# Altium PCB pay-ssm-v4-5.PcbDoc (part 3 of 4)
Units mm, origin at the board's own origin, x right, y up, seen from the top; angles counter-clockwise.
Board outline 127 x 55 mm, 6 copper layers (Top Layer, GND1, VCC, 3V3, GND2, Bottom Layer), stack 0.816 mm thick; 302 components, 219 nets, 1045 pads, 709 vias.
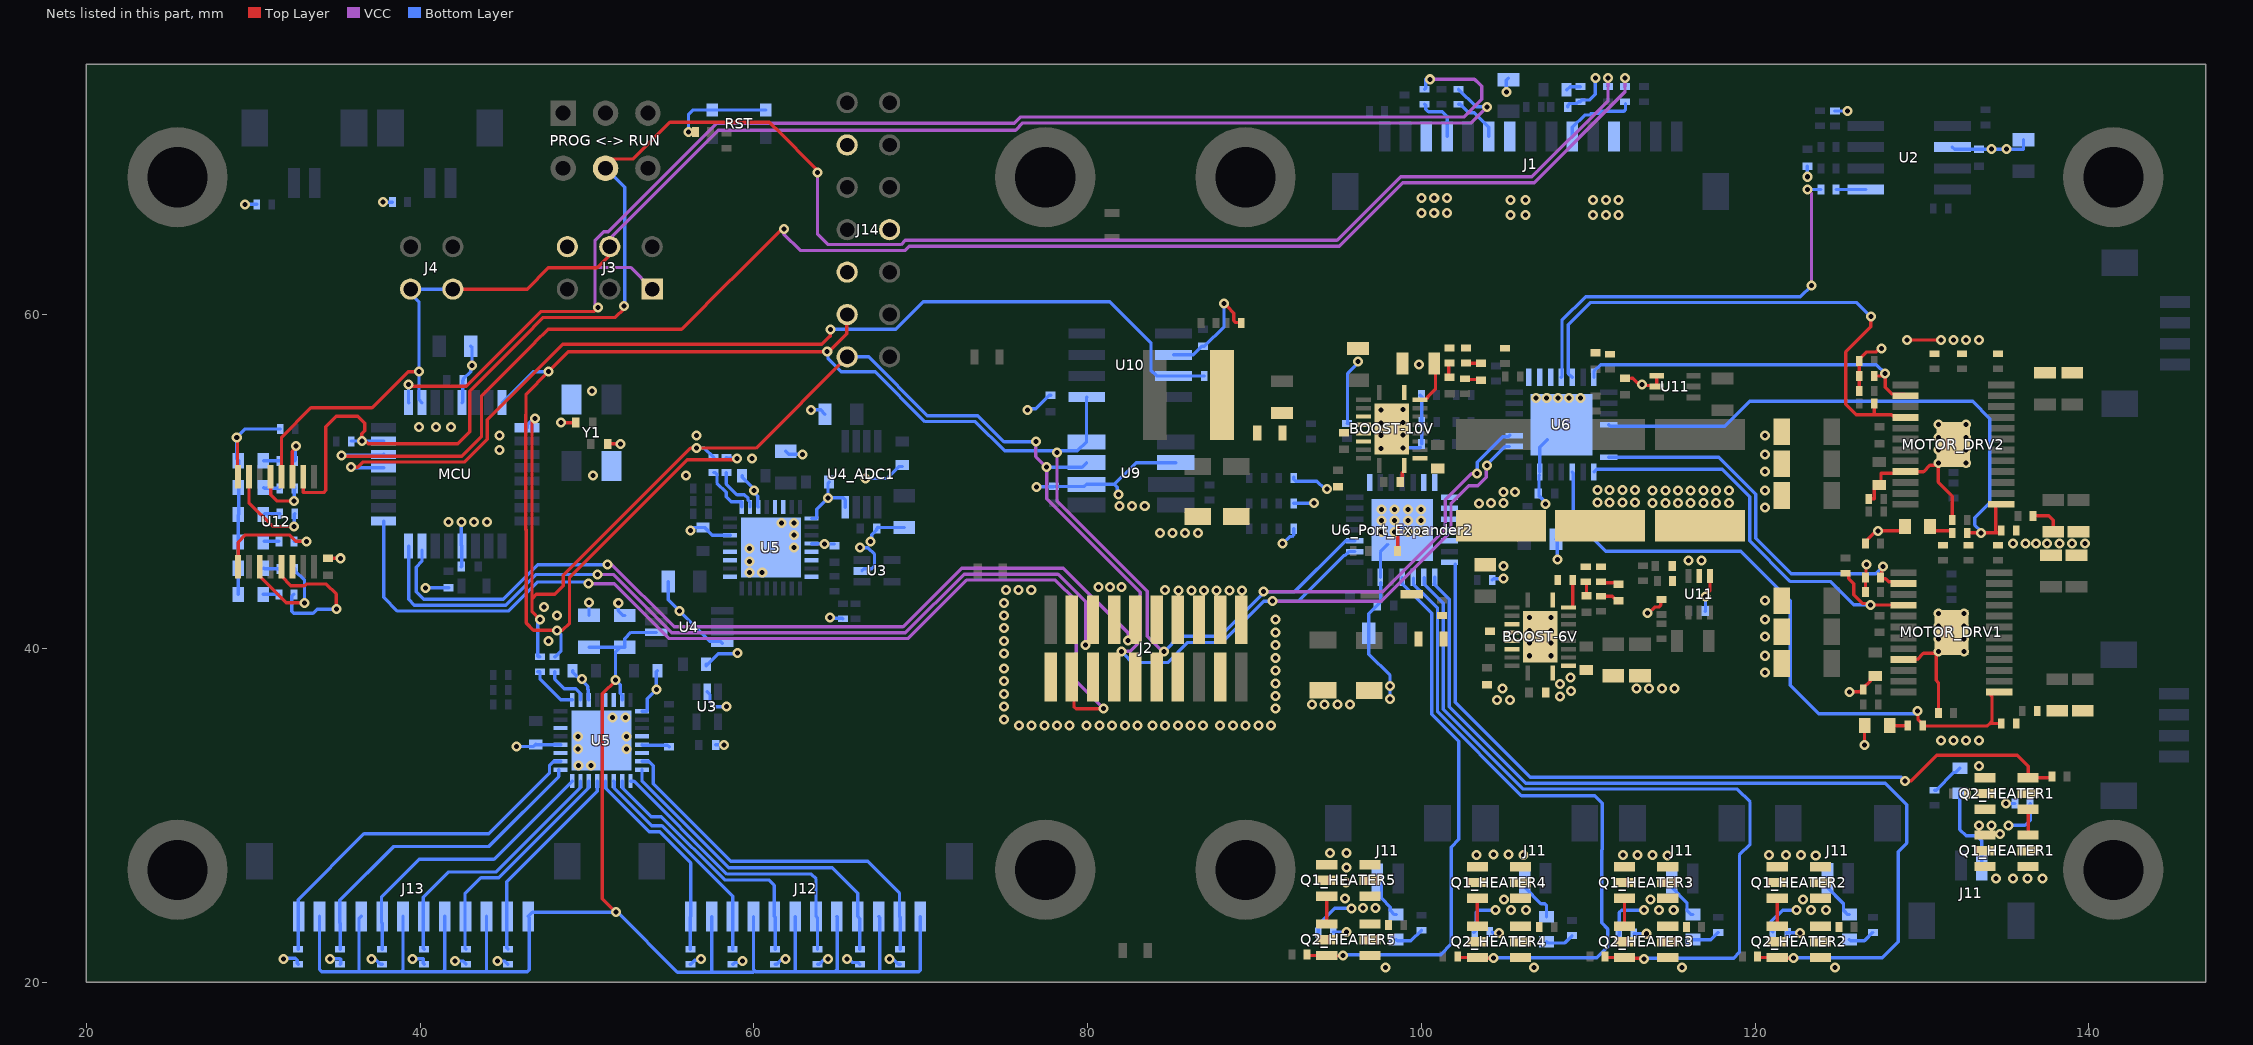
[diagram p7: the nets of this part, all layers, seen from the top]

## Via types
v1: diameter 0.6, hole 0.3, Top Layer to Bottom Layer, tented both sides, 709 vias

## Nets (pads, with @x,y where several pads share a name; then routed paths per layer and width w, separated by ;. In a path a pad name is that pad's centre, name@x,y a point inside that pad or via, vN(x,y) a via of type N, cw(c..) or ccw(c..) an arc to the next point about the centre after c; other vN are vias at no path point) (continued)
GND: BOOST-6V.11 BOOST-6V.12 BOOST-6V.20 BOOST-6V.21 BOOST-10V.11 BOOST-10V.12 BOOST-10V.20 BOOST-10V.21 C1.1 C2.1 C3.1 C4.1 C5.1 C6.1 C7.1 C8.1 C9.1 C10.1 C11.1 C12.1 C12_ADC1.1 C13.1 C14.1 C15.1 C16.1 C17.1 C18.1 C20.1 C21.1 C22.1 C23.1 C24.1 C25.1 C27.1 C28.1 C30.1 C32.1 C33.1 C34.1 C35.1 C37.1 C38.1 C39.1 C40.2 C41.1 C41_Port_Expander1.1 C41_Port_Expander2.1 C42.2 C43.1 C44.2 C45.1 C46.1 C47.1 C49.1 C50.1 C52.1 C53.1 C55.1 C57.1 C58.1 D1.2 D2.2 D3.2 D4.2 D5.2 D6.2 D7.2 J1.3 J1.7 J1.12 J2.2 J2.3 J2.6 J2.7 J2.10 J2.11 J2.13 J2.14 J2.15 J2.17 J2.18 J2.19 J3.6 J14.3 J14.8 J14.9 MCU.5 MCU.20 MOTOR_DRV1.21 MOTOR_DRV1.25 MOTOR_DRV2.21 MOTOR_DRV2.25 Q1_HEATER1.4 Q1_HEATER2.4 Q1_HEATER3.4 Q1_HEATER4.4 Q1_HEATER5.4 Q2_HEATER1.4 Q2_HEATER2.4 Q2_HEATER3.4 Q2_HEATER4.4 Q2_HEATER5.4 R18.1 R27.1 R29.1 R31.1 R34.1 R35.1 R40.1 R44_HEATER1.1 R44_HEATER2.1 R44_HEATER3.1 R44_HEATER4.1 R44_HEATER5.1 R46.2 R47.2 R50.1 R51.2 R52.1 R53.1 R54.1 R55.1 R56.1 R57.1 R58.1 R59.1 R60.1 R61.1 R62.1 R63.1 R72.1 R73.1 R74.1 R78_AmbientTemp.1 R78_BST6V.1 R78_BST10V.1 R78_MF_THM1_6.1 R78_MF_THM1_7.1 R78_MF_THM1_8.1 R78_MF_THM1_9.1 R78_MF_THM1_10.1 R78_MF_THM1_11.1 R78_MF_THM2_12.1 R78_MF_THM2_13.1 R78_MF_THM2_14.1 R78_MF_THM2_15.1 R78_MF_THM2_16.1 R78_MF_THM2_17.1 R78_MOT_DRV1.1 R78_MOT_DRV2.1 R79.1 R88.1 R90.1 R93.1 R94.1 R95.1 R97.1 R98.1 R100.1 RST.2 U2.2 U3.2 U4.4 U4_ADC1.4 U5.1 U5.4 U5.5 U5.6 U5.8@63.456,44.285 U5.17@58.586,44.285 U5.19 U5.20 U5.22 U5.27 U5.30 U5.33 U6.6 U6.29 U6_Port_Expander2.6 U6_Port_Expander2.29 U9.2 U9.6 U10.2 U11.1 U11.2 U12.8 Y1.2 Y1.4 | length 196.4
  Top Layer w0.2: v1(29.017,52.639) 29.058,52.598 29.058,50.333 U12.8@29.099,50.292 ; C46.1@34.478,45.392 34.482,45.396 35.236,45.396 v1(35.24,45.4) ; v1(48.448,53.528) C5.1@49.337,53.528 ; C6.1@51.234,52.258 v1(52.004,52.258) ; v1(56.075,70.95) 56.484,70.95 R78_AmbientTemp.1@56.507,70.927 ; v1@88.375,60.525 88.356,60.506 88.356,60.494 88.767,60.083 88.767,59.642 88.885,59.525 89.187,59.525 R78_BST10V.1@89.215,59.497 ; v1@98.4,47.65 98.4,47.527 98.575,47.352 R78_BST6V.1@98.575,45.825 ; C27.1@98.732,49.972 98.857,50.097 98.857,50.517 98.982,50.642 BOOST-10V.11@98.982,50.962 ; 112.583,56.187 112.658,56.187 112.954,55.891 113.141,55.891 v1(113.218,55.814) 113.282,55.751 114.044,55.751 U11.2@114.107,55.687 U11.1@114.107,56.337 ; v1(113.55,42.125) 113.618,42.125 113.97,42.477 114.233,42.477 114.35,42.595 114.35,42.9 R93.1@114.375,42.925 ; v1(117.028,43.114) 117.028,43.222 117.297,43.491 U11.1@117.297,44.341 ; v1(125.664,37.399) 126.257,37.399 R50.1@126.484,37.626 ; R51.2@126.23,55.433 R52.1@126.23,56.322 R60.1@126.23,57.211 126.23,57.311 126.682,57.763 127.251,57.763 127.461,57.973 v1(127.569,57.973) ; R50.1@126.484,37.526 R50.1@126.484,37.626 ; v1(126.553,34.224) 126.553,35.355 D1.2@126.565,35.367 D1.2@126.565,35.267 ; R51.2@126.611,43.368 R52.1@126.611,44.257 126.645,44.291 126.645,44.984 v1(126.68,45.019) ; R60.1@126.611,46.289 126.611,46.389 127.263,47.041 v1(127.353,47.041) 129.222,47.041 D1.2@129.232,47.051 ; R50.1@126.811,48.956 127.142,48.956 127.142,49.58 127.342,49.78 C40.2@127.442,49.78 127.542,49.78 127.542,50.484 128.901,50.484 MOTOR_DRV2.21@129.006,50.589 130.091,50.589 130.476,50.974 130.963,50.974 130.963,49.969 131.818,49.114 R63.1@131.818,47.686 ; C40.2@127.188,38.35 127.088,38.35 126.888,38.15 126.888,38.03 R50.1@126.484,37.626 ; MOTOR_DRV1.21@128.87,39.31 MOTOR_DRV1.21@128.89,39.33 129.702,39.33 130.087,39.715 130.848,39.715 130.848,38.089 130.987,37.949 R63.1@130.987,36.129 ; v1(129.093,58.481) v1@130.871,58.481 ; R62.1@136.655,47.94 137.602,47.94 137.856,47.686 R56.1@137.856,46.99
  Bottom Layer w0.2: D7.2@29.099,43.237 29.099,44.756 29.144,44.801 29.099,44.846 D5.2@29.099,46.365 29.099,47.976 29.144,48.021 29.144,51.242 29.017,51.369 v1(29.017,52.639) 29.525,53.147 R79.1@31.615,53.147 ; v1@29.652,66.609 R46.2@30.218,66.609 ; v1@31.9,21.4 31.925,21.425 32.533,21.425 32.65,21.308 32.65,21.124 R78_MF_THM2_17.1@32.7,21.074 ; v1(34.605,21.397) 35.205,21.397 35.24,21.362 35.24,21.099 R78_MF_THM2_16.1@35.215,21.074 ; v1(37.082,21.397) 37.158,21.32 37.383,21.32 37.629,21.074 R78_MF_THM2_15.1@37.729,21.074 ; v1(37.78,66.736) R47.2@38.346,66.736 ; v1(39.558,21.397) 40.193,21.397 40.193,21.125 R78_MF_THM2_14.1@40.244,21.074 ; v1(40.32,43.622) 40.324,43.626 41.713,43.626 C4.1@41.717,43.63 ; v1(42.098,21.27) 42.562,21.27 R78_MF_THM2_13.1@42.758,21.074 ; C3.1@42.479,44.892 42.498,44.911 42.498,46.104 MCU.20@42.516,46.123 42.479,46.16 v1(42.479,47.559) ; MCU.5@42.516,54.723 42.557,54.764 42.557,56.027 C2.1@42.598,56.068 42.598,56.143 43.037,56.582 43.037,56.88 v1(43.114,56.957) 43.114,58.034 C1.1@43.048,58.1 ; v1(44.638,21.27) 45.05,21.27 45.246,21.074 R78_MF_THM2_12.1@45.273,21.074 ; v1(45.775,34.125) 46.8,34.125 C16.1@46.903,34.228 ; C16.1@46.925,34.25 C16.1@46.903,34.228 ; U5.20@48.426,34.228 C16.1@46.903,34.228 ; C17.1@49.145,38.669 49.145,38.569 49.476,38.238 49.641,38.238 v1(49.718,38.161) 49.718,38.053 50.055,37.716 50.055,37.551 50.081,37.525 50.081,36.943 U5.27@50.111,36.913 ; C14.1@50.125,41.975 v1(50.125,42.75) ; v1(51.877,42.733) 51.877,42.266 52.177,41.966 C18.1@52.258,41.966 ; U5.5@53.296,34.228 53.326,34.198 54.824,34.198 C11.1@54.925,34.097 ; U5.1@53.296,36.228 53.586,36.228 53.616,36.258 53.616,36.979 v1(54.163,37.526) 54.163,38.604 C15.1@54.228,38.669 ; C12.1@54.864,44.003 54.864,42.921 v1(55.56,42.225) 57.355,40.43 57.988,40.43 U4.4@58.113,40.305 ; v1@56.1,70.925 56.083,70.942 56.083,71.983 56.36,72.26 RST.2@57.516,72.26 RST.2@60.716,72.26 ; R78_MF_THM1_11.1@56.195,21.074 56.222,21.074 56.468,21.32 56.753,21.32 v1(56.83,21.397) ; v1(56.195,47.051) 56.387,47.243 C16.1@56.957,47.243 57.057,47.243 57.515,46.785 U5.22@58.586,46.785 ; C13.1@57.149,39.05 57.149,38.95 57.874,39.675 58.975,39.675 v1(59.025,39.725) ; U3.2@57.211,37.399 57.374,37.236 57.374,36.794 57.658,36.51 v1(58.354,36.51) ; C10.1@57.711,34.224 v1(58.227,34.224) ; R78_MF_THM1_10.1@58.735,21.074 58.762,21.074 58.862,21.174 59.166,21.174 59.262,21.27 v1(59.316,21.27) ; C15.1@59.305,50.353 59.305,50.253 60.005,49.553 v1(60.005,49.464) 60.005,49.356 60.241,49.12 60.241,48.5 U5.27@60.271,48.47 ; R78_MF_THM1_9.1@61.275,21.074 61.375,21.074 61.621,21.32 61.833,21.32 v1(61.91,21.397) ; C18.1@61.91,51.811 62.098,51.623 v1(62.926,51.623) ; U5.4@63.456,46.285 63.471,46.27 64.234,46.27 v1(64.25,46.254) C11.1@64.831,46.254 ; U5.1@63.456,47.785 63.746,47.785 63.776,47.815 63.776,48.344 v1(64.45,49.018) 64.45,49.907 C17.1@64.515,49.972 ; v1@63.475,54.3 63.485,54.29 64.008,54.29 C14.1@64.262,54.036 ; R78_MF_THM1_8.1@63.815,21.074 63.915,21.074 64.161,21.32 64.373,21.32 v1(64.45,21.397) ; v1@64.5,48.95 64.568,49.018 65.35,49.018 65.475,48.893 U4_ADC1.4@65.475,48.45 ; v1(64.577,41.844) 64.611,41.81 65.304,41.81 R100.1@65.339,41.775 ; v1(65.593,21.397) 65.701,21.397 65.924,21.174 66.255,21.174 R78_MF_THM1_7.1@66.355,21.074 ; v1(66.355,46.035) 66.827,46.035 67.234,45.628 67.234,44.948 67.059,44.773 66.617,44.773 U3.2@66.482,44.638 ; v1(66.701,50.182) 67.989,50.182 68.707,50.9 C13.1@68.9,50.9 ; v1(66.99,46.416) 67.067,46.493 67.067,46.807 67.363,47.103 C10.1@67.363,47.178 C10.1@67.429,47.244 ; C10.1@67.446,47.261 C10.1@67.429,47.244 ; v1(68.133,21.397) 68.21,21.32 68.422,21.32 68.668,21.074 R78_MF_THM1_6.1@68.768,21.074 ; C12_ADC1.1@69.022,47.244 C10.1@67.429,47.244 ; v1(76.388,54.29) 76.465,54.367 76.906,54.367 77.71,55.171 C43.1@77.785,55.171 ; v1(76.95,49.675) 77.95,49.675 C42.2@77.975,49.7 79.806,49.7 U9.6@79.936,49.83 81.61,49.83 ; v1(81.849,49.21) 81.772,49.287 81.772,49.668 81.61,49.83 ; U10.2@85.151,57.592 86.338,57.592 86.854,58.108 C44.2@86.929,58.108 87.004,58.108 88.175,59.279 v1(88.175,60.675) ; U9.2@85.286,51.13 82.91,51.13 81.61,49.83 ; v1(91.675,46.275) 92.099,46.699 92.249,46.699 92.362,46.812 R74.1@92.362,47.168 ; R72.1@92.35,50.25 92.35,50.128 92.462,50.016 93.733,50.016 94.199,49.55 v1(94.35,49.55) ; R73.1@92.362,48.692 92.37,48.7 v1(93.575,48.7) ; R44_HEATER5.1@93.825,22.975 93.825,23.45 94.8,24.425 95.725,24.425 v1@95.775,24.375 ; R97.1@95.55,53.475 95.65,53.475 95.575,53.55 95.575,56.475 96.225,57.125 v1@96.225,57.15 ; v1@97.246,24.421 v1@97.25,24.425 ; U6_Port_Expander2.6@97.55,44.265 97.55,45.775 U6_Port_Expander2.29@98,46.225 ; U6_Port_Expander2.6@97.575,43.925 97.575,42.8 C41.1@97.35,42.575 96.85,42.075 C41_Port_Expander2.1@96.85,40.9 96.85,39.65 98.125,38.375 v1(98.125,37.75) v1(98.125,36.975) ; v1@97.616,52.766 v1@97.724,52.766 ; v1(98.9,52.014) 99.914,52.014 R74.1@99.95,52.05 ; R72.1@99.925,55.175 100.016,55.084 R73.1@100.016,53.659 ; R73.1@100,53.675 R73.1@100.016,53.659 ; R74.1@100.008,52.258 100.016,52.266 R73.1@100.016,53.659 ; R73.1@100.025,53.65 R73.1@100.016,53.659 ; R44_HEATER4.1@103.125,22.975 103.275,23.125 103.275,24.2 103.393,24.318 v1(104.455,24.318) ; R98.1@104.25,44.1 104.325,44.175 104.825,44.175 v1@104.925,44.075 ; v1(105.09,73.34) 105.09,74.036 C55.1@105.217,74.163 ; C41.1@107.046,49.321 107.046,50.375 U6.6@107.075,50.375 ; C41.1@107.049,49.275 107.049,49.151 107.348,48.852 107.348,48.727 v1(107.425,48.65) ; U6.6@107.092,50.566 107.092,52.042 U6.29@107.55,52.5 ; C41_Port_Expander1.1@108.072,46.543 108.15,46.465 v1(108.15,45.325) ; C41_Port_Expander1.1@108.175,46.575 C41_Port_Expander1.1@108.175,46.69 ; C53.1@108.765,72.451 108.765,72.526 108.89,72.651 109.323,72.651 109.435,72.763 R95.1@109.535,72.763 109.635,72.863 110.093,72.863 110.424,73.194 v1(110.424,74.175) ; R44_HEATER3.1@111.775,22.75 111.85,22.825 111.85,24.175 111.993,24.318 v1(113.345,24.318) ; C45.1@117.02,42.225 117.024,42.229 117.024,43.11 v1(117.028,43.114) ; R44_HEATER2.1@121.075,23 120.975,23.1 120.975,23.65 121.643,24.318 v1(122.489,24.318) ; v1(123.124,68.26) C9.1@123.124,68.903 ; R18.1@124.775,72.197 v1(125.537,72.197) ; v1(130.998,42.098) 131.032,42.064 131.725,42.064 R78_MOT_DRV1.1@131.76,42.029 ; U2.2@131.82,70.038 131.955,69.903 C8.1@133.411,69.903 133.415,69.907 134.169,69.907 134.173,69.903 134.181,69.911 v1(135.062,69.911) 136.078,69.911 C7.1@136.078,70.48 ; R78_MOT_DRV2.1@131.887,51.438 131.987,51.438 132.349,51.8 132.572,51.8 v1(132.649,51.877) ; v1@135.225,29.425 135.252,29.398 136.173,29.398 136.475,29.7 R44_HEATER1.1@136.475,30.7
  other v1: 97.851,20.889 106.741,20.889 115.631,20.889 124.775,20.889 31.811,21.397 105.382,24.318 106.271,24.318 114.234,24.318 115.123,24.318 123.347,24.318 124.236,24.318 95.8,24.425 97.243,24.445 96.5,24.45 104.963,24.953 113.726,24.953 122.87,24.953 95.425,25.025 134.681,28.89 133.411,29.398 134.173,29.398 135.189,29.398 133.411,32.954 49.493,32.989 50.255,32.989 49.464,33.97 52.385,33.97 131.125,34.478 131.887,34.478 132.649,34.478 133.411,34.478 49.464,34.732 52.375,34.725 75.88,35.367 76.642,35.367 77.404,35.367 78.166,35.367 78.928,35.367 79.944,35.367 80.706,35.367 81.468,35.367 82.23,35.367 82.992,35.367 83.881,35.367 84.643,35.367 85.405,35.367 86.167,35.367 86.929,35.367 87.945,35.367 88.707,35.367 89.469,35.367 90.231,35.367 90.993,35.367 74.991,35.748 51.543,35.864 52.305,35.864 91.247,36.383 74.991,36.51 93.439,36.65 94.201,36.65 94.963,36.65 95.725,36.65 104.538,36.9 105.3,36.9 108.3,37.113 91.247,37.145 74.991,37.272 108.975,37.438 104.875,37.6 112.889,37.6 113.651,37.6 114.413,37.6 115.175,37.6 108.3,37.875 91.247,37.907 74.991,38.034 108.95,38.25 120.584,38.542 91.247,38.669 74.991,38.796 91.247,39.431 106.487,39.558 107.757,39.558 120.584,39.558 74.991,39.685 130.998,39.812 132.522,39.812 91.247,40.193 106.487,40.32 107.757,40.32 47.686,40.447 74.991,40.447 130.998,40.574 132.522,40.574 120.584,40.701 91.247,40.955 106.487,41.082 107.757,41.082 74.991,41.209 130.998,41.336 132.522,41.336 91.247,41.717 120.584,41.717 106.487,41.844 107.757,41.844 48.194,41.971 74.991,41.971 132.522,42.098 47.432,42.479 74.991,42.733 120.584,42.86 85.45,43.475 86.212,43.475 86.974,43.475 87.736,43.475 88.498,43.475 89.26,43.475 75.1,43.5 75.862,43.5 76.624,43.5 84.625,43.5 80.65,43.675 81.35,43.675 82.025,43.675 104.925,44.175 59.743,44.539 60.505,44.539 104.925,44.925 59.736,45.218 116.012,45.273 116.774,45.273 59.736,45.98 62.414,46.045 135.443,46.289 136.205,46.289 136.84,46.289 137.475,46.289 138.237,46.289 138.999,46.289 139.761,46.289 62.414,46.807 84.325,46.9 85.087,46.9 85.849,46.9 86.611,46.9 97.611,46.972 98.398,46.972 99.186,46.972 99.973,46.972 61.645,47.511 62.407,47.511 41.717,47.559 43.241,47.559 44.003,47.559 97.611,47.662 98.398,47.662 99.186,47.662 99.973,47.662 97.611,48.322 98.398,48.322 99.186,48.322 99.973,48.322 120.584,48.448 81.901,48.525 82.663,48.525 83.425,48.525 103.45,48.675 104.175,48.7 104.925,48.7 113.853,48.702 114.615,48.702 115.377,48.702 116.139,48.702 116.901,48.702 117.663,48.702 118.425,48.702 110.557,48.729 111.282,48.729 112.044,48.729 112.806,48.729 104.925,49.375 105.625,49.375 113.853,49.464 114.615,49.464 115.377,49.464 116.139,49.464 116.901,49.464 117.663,49.464 118.425,49.464 120.584,49.464 110.557,49.491 111.282,49.491 112.044,49.491 112.806,49.491 50.353,50.353 55.941,50.353 120.584,50.607 130.998,51.115 132.649,51.115 59.878,51.369 120.584,51.623 44.765,51.877 130.998,51.877 97.575,51.989 130.998,52.639 132.649,52.639 44.765,52.766 56.576,52.766 97.575,52.751 120.584,52.766 98.9,52.776 39.939,53.274 40.955,53.274 41.844,53.274 130.998,53.401 132.649,53.401 97.575,53.513 98.9,53.538 63.434,54.29 97.575,54.275 98.9,54.3 106.878,54.998 107.513,54.998 108.175,55 108.85,55 109.525,55 50.3,55.425 99.867,57.015 96.217,57.19 131.125,58.481 131.887,58.481 132.649,58.481 133.411,58.481 105.344,65.974 106.233,65.974 110.297,65.974 111.059,65.974 111.821,65.974 100.01,66.101 100.772,66.101 101.534,66.101 29.525,66.609 105.344,66.863 106.233,66.863 110.297,66.863 111.059,66.863 111.821,66.863 100.01,66.99 100.772,66.99 101.534,66.99 134.173,69.911
GPA0_Port_Expander1: U6.17
GPA2_Port_Expander1: MOTOR_DRV2.16 R48.1@127.13,54.671 U6.19 | length 32.7
  Top Layer w0.2: v1(126.934,59.878) 126.934,59.27 125.425,57.762 125.425,54.619 126.047,53.997 128.173,53.997 128.331,53.839 MOTOR_DRV2.16@129.006,53.839 ; 127.13,54.065 R48.1@127.13,54.671
  Bottom Layer w0.2: U6.19@109.042,56.236 108.809,56.469 108.809,59.406 110.123,60.72 126.092,60.72 v1(126.934,59.878)
GPA3_Port_Expander2: U6_Port_Expander2.20
GPA4_Port_Expander1: MOTOR_DRV2.14 R52.2@127.13,56.322 U6.21 | length 21.2
  Top Layer w0.2: R52.2@127.13,56.322 127.624,56.322 v1(127.787,56.485) 127.787,55.633 128.176,55.244 128.901,55.244 MOTOR_DRV2.14@129.006,55.139
  Bottom Layer w0.2: U6.21@110.342,56.236 110.342,56.591 110.752,57.001 127.271,57.001 v1(127.787,56.485)
GPA4_Port_Expander2: U6_Port_Expander2.21
GPA5_Port_Expander2: U6_Port_Expander2.22
GPA6_Port_Expander2: U6_Port_Expander2.23
GPA7_Port_Expander2: U6_Port_Expander2.24
GPB0_Port_Expander1: MOTOR_DRV2.1 R53.2@134.739,47.051 R64.1@132.718,46.924 U6.25 | length 35.4
  Top Layer w0.2: R64.1@132.718,46.924 v1(133.538,46.924) 134.427,46.924 ; R53.2@134.739,47.051 134.739,47.024 134.639,46.924 134.427,46.924 ; MOTOR_DRV2.1@134.746,48.639 134.532,48.639 134.427,48.534 134.427,46.924
  Bottom Layer w0.2: U6.25@111.227,53.401 111.325,53.303 118.175,53.303 119.67,54.798 133.03,54.798 134.065,53.763 134.065,48.741 133.157,47.832 133.157,47.392 133.538,47.011 v1(133.538,46.924)
GPB0_Port_Expander2: U6_Port_Expander2.25
GPB1_Port_Expander2: U6_Port_Expander2.26
GPB3_Port_Expander1: MOTOR_DRV1.14 R52.2@127.511,44.257 U6.28 | length 23.3
  Top Layer w0.2: v1(127.653,44.899) 127.582,44.828 127.582,44.328 R52.2@127.511,44.257 127.594,44.174 127.816,44.174 128.005,43.985 128.785,43.985 MOTOR_DRV1.14@128.89,43.88
  Bottom Layer w0.2: U6.28@111.227,51.451 117.822,51.451 120.032,49.242 120.032,46.587 122.152,44.467 127.22,44.467 v1(127.653,44.899)
GPB4_Port_Expander1: MOTOR_DRV1.16 R48.1@125.41,44.511 U6.1 | length 26.4
  Top Layer w0.2: R48.1@125.41,44.511 125.51,44.511 125.61,44.411 125.61,44.184 125.918,43.876 125.918,43.204 126.433,42.689 126.851,42.689 v1(126.927,42.613) 126.944,42.596 128.874,42.596 MOTOR_DRV1.16@128.89,42.58
  Bottom Layer w0.2: U6.1@110.342,50.566 110.51,50.734 118.041,50.734 119.679,49.096 119.679,46.441 122.118,44.003 124.521,44.003 125.911,42.613 v1(126.927,42.613)
GPB6_Port_Expander1: MOTOR_DRV1.1 R53.2@134.739,35.494 R64.1@130.051,35.367 U6.3 | length 39.6
  Top Layer w0.2: v1(129.728,36.256) 129.762,36.222 129.762,35.705 ; 129.797,35.705 130.151,35.351 133.903,35.351 134.046,35.494 ; MOTOR_DRV1.1@134.63,37.38 134.151,37.38 134.049,37.278 134.189,37.139 134.189,35.637 134.046,35.494 ; R53.2@134.739,35.494 134.046,35.494
  Bottom Layer w0.2: U6.3@109.042,50.566 109.11,50.498 109.11,47.763 111.048,45.825 119.143,45.825 122.108,42.86 122.108,37.78 123.803,36.085 129.557,36.085 v1(129.728,36.256)
GPIO_ADS79521: U5.29@61.271,48.47
GPIO_ADS79522: U5.29@51.111,36.913
HEATER_EN_HEATER1_N: Q2_HEATER1.3 R66.1 U6_Port_Expander2.28 | length 47.6
  Top Layer w0.2: v1(128.966,32.065) 129.347,32.065 130.871,33.589 135.697,33.589 136.357,32.929 Q2_HEATER1.3@136.357,32.243 137.711,32.243 R66.1@137.787,32.319
  Bottom Layer w0.2: U6_Port_Expander2.28@102.025,45.05 102.025,36.781 106.531,32.275 128.756,32.275 v1(128.966,32.065)
HEATER_EN_HEATER2_N: Q2_HEATER2.3 R66_HEATER2.1 U6_Port_Expander2.1 | length 55.4
  Top Layer w0.2: R66_HEATER2.1@120.145,21.524 120.196,21.473 121.054,21.473 121.092,21.435 122.273,21.435 v1(122.295,21.457)
  Bottom Layer w0.2: U6_Port_Expander2.1@100.775,43.85 101.673,42.952 101.673,36.498 106.249,31.922 127.791,31.922 129.093,30.62 129.093,28.334 128.585,27.826 128.585,22.413 127.629,21.457 v1(122.295,21.457) v1@122.362,21.524 ; U6_Port_Expander2.1@100.775,43.875 100.8,43.9 U6_Port_Expander2.1@100.8,44.265
HEATER_EN_HEATER3_N: Q2_HEATER3.3 R66_HEATER3.1 U6_Port_Expander2.2 | length 46.8
  Top Layer w0.2: R66_HEATER3.1@111.001,21.524 111.052,21.473 112.1,21.473 112.177,21.397 112.215,21.435 113.307,21.435 v1(113.345,21.397)
  Bottom Layer w0.2: U6_Port_Expander2.2@100.175,44.225 100.175,43.848 100.53,43.493 100.532,43.493 101.32,42.705 101.32,36.352 106.103,31.57 118.92,31.57 119.695,30.795 119.695,28.255 119.06,27.62 119.06,21.778 118.723,21.441 113.389,21.441 v1(113.345,21.397) v1@113.218,21.524
HEATER_EN_HEATER4_N: Q2_HEATER4.3 R66_HEATER4.1 U6_Port_Expander2.3 | length 38.7
  Top Layer w0.2: R66_HEATER4.1@102.18,21.524 102.231,21.473 103.089,21.473 103.127,21.435 104.308,21.435 v1(104.33,21.457)
  Bottom Layer w0.2: U6_Port_Expander2.3@99.525,43.85 99.525,43.848 100.233,43.14 100.235,43.14 100.968,42.407 100.968,36.206 105.998,31.176 110.395,31.176 110.841,30.73 110.841,27.955 110.805,27.918 110.805,23.556 111.176,23.185 111.176,22.13 110.504,21.457 v1(104.33,21.457) ; U6_Port_Expander2.3@99.525,43.925 U6_Port_Expander2.3@99.525,44.2
HEATER_EN_HEATER5_N: Q2_HEATER5.3 R66_HEATER5.1 U6_Port_Expander2.4 | length 32.5
  Top Layer w0.2: R66_HEATER5.1@93.152,21.651 93.203,21.6 94.061,21.6 94.099,21.562 95.28,21.562 v1(95.302,21.584)
  Bottom Layer w0.2: v1(95.302,21.584) 95.369,21.651 101.153,21.651 101.788,22.286 101.788,28.091 102.25,28.553 102.25,34.426 100.615,36.061 100.615,42.108 98.85,43.873 U6_Port_Expander2.4@98.85,44.225
HEATER_EN_PU_HEATER1: Q1_HEATER1.3 Q2_HEATER1.1 Q2_HEATER1.2 Q2_HEATER1.5 Q2_HEATER1.6 R44_HEATER1.2 R65_HEATER1.1 | length 2.2
  Top Layer w0.2: Q2_HEATER1.1@136.357,30.363 Q1_HEATER1.3@136.357,28.814 Q1_HEATER1.3@136.396,28.852
  Bottom Layer w0.2: v1(135.025,30.7) R44_HEATER1.2@135.575,30.7
HEATER_EN_PU_HEATER2: Q1_HEATER2.3 Q2_HEATER2.1 Q2_HEATER2.2 Q2_HEATER2.5 Q2_HEATER2.6 R44_HEATER2.2 R65_HEATER2.1 | length 2.5
  Top Layer w0.2: Q2_HEATER2.1@121.321,23.353 Q1_HEATER2.3@121.321,25.029
  Bottom Layer w0.2: R44_HEATER2.2@121.875,22.925 121.9,22.95 R44_HEATER2.2@121.95,22.95 v1(122.675,22.95)
HEATER_EN_PU_HEATER3: Q1_HEATER3.3 Q2_HEATER3.1 Q2_HEATER3.2 Q2_HEATER3.5 Q2_HEATER3.6 R44_HEATER3.2 R65_HEATER3.1 | length 2.4
  Top Layer w0.2: Q2_HEATER3.1@112.177,23.353 Q1_HEATER3.3@112.177,25.029
  Bottom Layer w0.2: R44_HEATER3.2@112.75,22.9 v1(113.5,22.9)
HEATER_EN_PU_HEATER4: Q1_HEATER4.3 Q2_HEATER4.1 Q2_HEATER4.2 Q2_HEATER4.5 Q2_HEATER4.6 R44_HEATER4.2 R65_HEATER4.1 | length 2.1
  Top Layer w0.2: Q2_HEATER4.1@103.356,23.353 Q1_HEATER4.3@103.356,25.029
  Bottom Layer w0.2: R44_HEATER4.2@104.25,23 104.3,22.95 v1(104.65,22.95)
HEATER_EN_PU_HEATER5: Q1_HEATER5.3 Q2_HEATER5.1 Q2_HEATER5.2 Q2_HEATER5.5 Q2_HEATER5.6 R44_HEATER5.2 R65_HEATER5.1 | length 2.4
  Top Layer w0.2: Q2_HEATER5.1@94.328,23.48 Q1_HEATER5.3@94.328,25.156
  Bottom Layer w0.2: R44_HEATER5.2@94.725,23 95.35,23 v1@95.425,22.925
  other v1: 95.525,23
HM_CSn: MCU.29 R77.1 U10.3 | length 60.9
  Top Layer w0.2: v1(35.875,50.861) 36.256,50.861 36.561,51.166 42.657,51.166 44.032,52.541 44.032,53.707 47.9,57.575 47.904,57.575 48.551,58.223 64.066,58.223 64.559,58.716 64.575,58.7 64.575,59.075 v1(64.6,59.1)
  Bottom Layer w0.2: v1(35.875,50.861) 35.875,50.823 MCU.29@37.816,50.823 ; v1(64.6,59.1) 64.618,59.118 68.501,59.118 70.15,60.767 81.341,60.767 83.799,58.309 83.799,56.658 84.135,56.322 U10.3@85.151,56.322 R77.1@86.987,56.322
ILIM: BOOST-10V.19 R29.2 | length 2.6
  Top Layer w0.2: BOOST-10V.19@99.917,54.897 100.237,54.897 100.373,55.033 100.373,55.073 100.85,55.55 100.85,56.875 R29.2@100.8,56.925
ILIM6: BOOST-6V.19 R88.2 | length 1.9
  Top Layer w0.2: BOOST-6V.19@108.807,42.451 109.045,42.451 109.075,42.481 R88.2@109.075,44.1
IN6: U12.14
IND_BOOST: L2.2 R25.1
IND_BOOST6: L3.2 R38.1
IND_BOOST6_SENSE: BOOST-6V.4 BOOST-6V.5 BOOST-6V.6 BOOST-6V.7 C31.2 R38.2 R39.2
IND_BOOST_SENSE: BOOST-10V.4 BOOST-10V.5 BOOST-10V.6 BOOST-10V.7 C19.1 R25.2 R26.2
INTA_PEX1: U6.16
INTB_PEX1: U6.15
INTB_PEX2: U6_Port_Expander2.15
LBK: R15.2 U6.18 | length 25.9
  VCC w0.2: v1(123.124,67.498) 123.378,67.244 v1(123.378,61.736)
  Bottom Layer w0.2: U6.18@108.392,56.236 108.425,56.269 108.425,59.657 109.841,61.073 122.715,61.073 v1(123.378,61.736) ; v1(123.124,67.498) R15.2@123.944,67.498
LBK_R: R15.1 U2.5 | length 1.8
  Bottom Layer w0.2: R15.1@124.844,67.498 U2.5@126.62,67.498
LED1: D2.1 R80.1 | length 0.9
  Bottom Layer w0.2: D2.1@30.644,51.242 R80.1@31.591,51.242
LED2: D3.1 R81.1 | length 1
  Bottom Layer w0.2: D3.1@30.644,49.631 30.684,49.591 R81.1@31.591,49.591
LED3: D4.1 R82.1 | length 1
  Bottom Layer w0.2: D4.1@30.644,48.021 30.69,48.067 R82.1@31.591,48.067
LED4: D5.1 R83.1 | length 0.9
  Bottom Layer w0.2: D5.1@30.65,46.416 R83.1@31.546,46.416
LED5: D6.1 R84.1 | length 1
  Bottom Layer w0.2: D6.1@30.644,44.801 30.68,44.765 R84.1@31.591,44.765
LED6: D7.1 R85.1 | length 0.9
  Bottom Layer w0.2: D7.1@30.599,43.237 30.603,43.241 R85.1@31.546,43.241
MF1_THM1: J12.2 R78_MF_THM1_6.2 U5.7@53.296,33.228 | length 22.7
  Bottom Layer w0.2: U5.7@53.296,33.228 53.703,33.228 53.968,32.963 53.968,31.895 58.625,27.239 66.833,27.239 68.728,25.344 J12.2@68.728,23.937 68.768,23.897 R78_MF_THM1_6.2@68.768,21.974
MF1_THM2: J12.4 R78_MF_THM1_7.2 U5.8@53.296,32.728 | length 19.8
  Bottom Layer w0.2: U5.8@53.296,32.728 53.296,32.069 58.507,26.858 64.704,26.858 66.228,25.334 J12.4@66.228,23.937 66.355,23.81 R78_MF_THM1_7.2@66.355,21.974
MF1_THM3: J12.6 R78_MF_THM1_8.2 U5.9@52.611,32.043 | length 17.8
  Bottom Layer w0.2: U5.9@52.611,32.043 52.824,32.043 58.39,26.477 63.434,26.477 63.728,26.183 J12.6@63.728,23.937 63.815,23.85 R78_MF_THM1_8.2@63.815,21.974
MF1_THM4: J12.8 R78_MF_THM1_9.2 U5.10@52.111,32.043 | length 15.8
  Bottom Layer w0.2: U5.10@52.111,32.043 52.111,31.636 53.841,29.906 54.463,29.906 58.244,26.125 60.898,26.125 61.228,25.795 J12.8@61.228,23.937 61.275,23.89 R78_MF_THM1_9.2@61.275,21.974
MF1_THM5: J12.10 R78_MF_THM1_10.2 U5.11@51.611,32.043 | length 13.4
  Bottom Layer w0.2: U5.11@51.611,32.043 51.64,32.014 51.64,31.607 53.878,29.369 54.501,29.369 58.728,25.142 J12.10@58.728,23.937 58.735,23.93 R78_MF_THM1_10.2@58.735,21.974
MF1_THM6: J12.12 R78_MF_THM1_11.2 U5.12@51.111,32.043 | length 12.6
  Bottom Layer w0.2: U5.12@51.111,32.043 51.111,31.636 53.73,29.017 54.355,29.017 56.228,27.144 J12.12@56.228,23.937 56.195,23.904 R78_MF_THM1_11.2@56.195,21.974
MF2_THM1: J13.2 R78_MF_THM2_12.2 U5.13@50.611,32.043 | length 12.3
  Bottom Layer w0.2: R78_MF_THM2_12.2@45.273,21.974 45.193,22.054 45.193,23.556 45.193,26.016 50.611,31.434 U5.13@50.611,32.043
MF2_THM2: J13.4 R78_MF_THM2_13.2 U5.14@50.111,32.043 | length 13.8
  Bottom Layer w0.2: R78_MF_THM2_13.2@42.758,21.974 42.693,22.039 42.693,25.294 43.65,26.252 44.725,26.252 49.844,31.371 49.846,31.371 49.993,31.518 49.993,31.52 50.11,31.637 U5.14@50.11,32.042
MF2_THM3: J13.6 R78_MF_THM2_14.2 U5.15@49.611,32.043 | length 15.7
  Bottom Layer w0.2: R78_MF_THM2_14.2@40.244,21.974 40.193,22.025 40.193,25.08 41.717,26.604 44.579,26.604 49.611,31.636 U5.15@49.611,32.043
MF2_THM4: J13.8 R78_MF_THM2_15.2 U5.16@49.111,32.043 | length 17.4
  Bottom Layer w0.2: R78_MF_THM2_15.2@37.729,21.974 37.729,23.52 37.693,23.556 37.693,25.12 39.939,27.366 44.434,27.366 U5.16@49.111,32.043
MF2_THM5: J13.10 R78_MF_THM2_16.2 U5.17@48.426,32.728 | length 19.5
  Bottom Layer w0.2: R78_MF_THM2_16.2@35.215,21.974 35.215,23.534 35.193,23.556 35.193,24.906 38.415,28.128 44.13,28.128 48.321,32.319 U5.17@48.321,32.728
MF2_THM6: J13.12 R78_MF_THM2_17.2 U5.18@48.426,33.228 | length 22.4
  Bottom Layer w0.2: R78_MF_THM2_17.2@32.7,21.974 32.7,23.549 32.693,23.556 32.693,24.946 36.637,28.89 44.13,28.89 47.754,32.514 47.754,32.963 48.019,33.228 U5.18@48.426,33.228
MF_THM1_IN6: C14.2@50.125,40.075 C18.2@52.258,40.066 J12.1 J12.3 J12.5 J12.7 J12.9 J12.11 J13.1 J13.3 J13.5 J13.7 J13.9 J13.11 U4.6 U5.31@52.111,36.913 | length 100.4
  Top Layer w0.2: v1(51.728,24.191) 50.925,24.994 50.925,37.275 v1@51.75,38.1
  Bottom Layer w0.2: J13.11@33.979,23.939 33.979,20.753 34.11,20.622 36.393,20.622 ; J13.9@36.479,23.939 36.339,23.799 36.339,20.676 36.393,20.622 ; J13.7@38.979,23.939 38.979,20.739 38.862,20.622 ; J13.5@41.479,23.939 41.479,20.739 41.362,20.622 ; J13.3@43.979,23.939 43.979,20.655 44.013,20.622 ; J13.1@46.479,23.939 J13.1@46.481,23.937 ; C14.2@50.125,40.066 C18.2@52.008,40.066 ; U5.31@52.111,36.913 52.111,37.203 51.993,37.321 51.993,37.815 v1(51.708,38.1) 51.708,39.766 C18.2@52.008,40.066 ; U4.6@54.163,40.955 52.639,40.955 52.275,40.591 52.275,40.083 C18.2@52.258,40.066 C18.2@52.008,40.066 ; J12.11@57.478,23.937 57.478,20.603 57.475,20.6 ; J12.9@59.978,23.937 59.978,20.754 60.051,20.681 ; J12.7@62.478,23.937 62.478,20.672 62.428,20.622 ; J12.5@64.978,23.937 65.002,23.913 65.002,20.763 64.861,20.622 ; J12.3@67.478,23.937 67.542,23.873 67.542,20.622 ; J12.1@69.978,23.937 69.978,20.702 69.898,20.622 67.542,20.622 ; 36.393,20.622 38.862,20.622 ; 38.862,20.622 41.362,20.622 ; 41.362,20.622 44.013,20.622 ; 44.013,20.622 46.426,20.622 46.543,20.739 46.543,23.875 J13.1@46.481,23.937 ; J13.1@46.481,23.937 46.735,24.191 v1(51.728,24.191) 51.832,24.191 55.423,20.6 57.475,20.6 ; 57.475,20.6 59.97,20.6 60.051,20.681 ; 60.051,20.681 60.11,20.622 62.428,20.622 ; 62.428,20.622 64.861,20.622 ; 64.861,20.622 67.542,20.622
MISO: J2.12 J14.11 MCU.8 R20.1 U6.10 U6_Port_Expander2.10 U9.8 U10.5 | length 131.8
  Top Layer w0.2: v1(58.989,51.369) 58.989,51.3 55.999,51.3 48.956,44.257 48.956,41.512 48.526,41.082 v1(48.194,41.082) 46.797,41.082 46.359,41.52 46.359,47.099 46.342,47.115 46.342,54.011 46.35,54.019 46.35,55.24 v1(47.686,56.576) 48.886,57.776 v1@64.4,57.776 ; v1@64.501,57.776 65.575,58.85 65.575,59.671 J14.11@65.593,59.653 ; J2.12@84.15,38.2 84.15,39.39 84.562,39.802 v1(84.579,39.802)
  VCC w0.2: v1(78.166,51.75) 78.166,48.837 83.573,43.431 83.573,40.727 84.498,39.802 v1(84.579,39.802) ; v1(90.554,43.402) 92.244,43.402 92.246,43.4 97.675,43.4 101.425,47.15 101.425,48.9 103.002,50.477 v1(103.33,50.477)
  Bottom Layer w0.2: MCU.8@44.916,54.723 44.929,54.723 46.782,56.576 v1(47.686,56.576) ; R20.1@48.067,39.5 48.094,39.5 48.448,39.854 48.448,40.828 v1(48.194,41.082) ; R20.1@58.354,51.438 58.389,51.403 58.955,51.403 v1(58.989,51.369) ; v1(64.4,57.775) 64.4,57.667 64.45,57.617 64.45,57.353 65.225,56.578 67.267,56.578 70.253,53.592 73.277,53.592 75.036,51.832 79.388,51.832 U9.8@79.936,52.38 79.936,55.037 U10.5@79.951,55.052 ; J14.11@65.575,59.925 J14.11@65.6,59.95 ; v1(84.579,39.802) 85.502,40.725 87.95,40.725 90.604,43.379 92.398,43.379 95.236,46.217 95.242,46.217 95.475,46.45 U6_Port_Expander2.10@96.015,46.45 ; v1(103.33,50.477) 103.356,50.504 103.356,51.16 104.882,52.686 105.211,52.686 U6.10@105.3,52.775
MISO_A: J3.1 MCU.1 R4.2 | length 84.2
  Top Layer w0.2: v1(39.304,55.814) 39.418,55.7 42.765,55.7 45.825,58.76 45.825,58.77 47.237,60.181 50.406,60.181 v1(50.65,60.425)
  VCC w0.2: 50.475,62.825 50.482,62.825 ; v1(50.65,60.425) 50.482,60.593 50.482,62.825 ; J3.1@53.804,61.529 J3.1@53.909,61.529 52.613,62.825 50.482,62.825 ; v1(100.518,74.102) 103.185,74.102 103.268,74.019 103.287,74.019 103.61,73.696 103.61,72.896 102.551,71.836 75.968,71.836 75.597,71.465 57.787,71.465 51.278,64.956 51.001,64.956 50.482,64.437 50.482,62.825
  Bottom Layer w0.2: v1(39.304,55.814) 39.31,55.808 39.31,54.729 MCU.1@39.316,54.723 ; R4.2@100.193,73.507 100.264,73.578 100.264,74.102 v1(100.518,74.102)
MISO_A_R: J1.4 R4.1 | length 3
  Bottom Layer w0.2: R4.1@100.193,72.607 100.264,72.535 100.264,72.314 100.424,72.154 101.263,72.154 101.547,71.87 J1.4@101.547,70.673
MISO_R_ADC1: R20.2@58.354,50.538 U5.26@59.771,48.47 | length 2.9
  Bottom Layer w0.2: R20.2@58.354,50.538 58.354,49.845 58.989,49.21 59.438,49.21 59.653,48.995 59.653,48.878 59.771,48.76 U5.26@59.771,48.47
MISO_R_ADC2: R20.2@48.067,38.6 U5.26@49.611,36.913 | length 2.7
  Bottom Layer w0.2: R20.2@48.067,38.6 48.067,38.161 48.639,37.59 49.341,37.59 49.611,37.32 U5.26@49.611,36.913
MOSI: J2.8 J14.13 MCU.9 R22.1 U6.9 U6_Port_Expander2.9 U9.7 | length 111.6
  Top Layer w0.2: v1@46.711,53.614 46.711,42.987 ; v1(47.178,41.717) 46.711,42.184 46.711,42.987 ; J14.13@65.593,57.465 60.132,52.004 v1(56.576,52.004) 56.205,52.004 48.575,44.374 48.575,43.749 48.067,43.241 46.965,43.241 46.711,42.987 ; J2.8@81.595,38.285 81.595,39.375 82.022,39.802 v1(82.029,39.802)
  VCC w0.2: v1@76.9,52.275 76.896,52.271 76.896,51.496 v1(77.531,50.861) 77.55,50.842 77.55,48.955 83.15,43.355 83.15,40.417 82.558,39.825 v1@82.05,39.825 ; v1(91.079,42.827) 95.49,42.827 95.492,42.825 97.598,42.825 101.777,47.004 101.777,48.702 102.825,49.75 103.384,49.75 103.882,50.249 103.882,50.905 v1(103.93,50.952)
  Bottom Layer w0.2: MCU.9@46.416,53.223 46.416,53.398 46.8,53.782 v1(46.895,53.782) ; R22.1@47.178,39.5 47.078,39.5 47.051,39.527 47.051,41.59 v1(47.178,41.717) ; v1(56.576,52.004) 57.026,52.004 R22.1@57.592,51.438 ; J14.13@65.593,57.465 66.878,57.465 70.399,53.944 73.432,53.944 74.991,52.385 v1(76.896,52.385) ; v1(77.531,50.861) 79.667,50.861 U9.7@79.936,51.13 ; v1@82.05,39.675 82.156,39.675 82.681,39.15 84.796,39.15 86,40.354 88.077,40.354 90.55,42.827 v1(91.079,42.827) 92.627,42.827 ; 92.637,42.837 95.367,45.567 95.427,45.567 95.66,45.8 U6_Port_Expander2.9@96.015,45.8 ; v1(103.93,50.952) 103.93,50.99 105.04,52.1 U6.9@105.275,52.1
MOSI_A/TX: J3.4 J4.2 J4.4 MCU.2 R6.2 U12.4 | length 91.1
  Top Layer w0.2: U12.4@31.699,50.292 31.699,52.654 33.462,54.417 37.126,54.417 39.285,56.576 v1(39.939,56.576) ; J4.2@41.971,61.529 46.416,61.529 47.686,62.799 50.607,62.799 51.369,63.561 J3.4@51.369,64.069
  VCC w0.2: J3.4@51.369,64.069 51.369,64.544 54.221,67.396 54.221,67.401 57.874,71.054 75.684,71.054 76.114,71.483 102.979,71.483 v1(103.947,72.451)
  Bottom Layer w0.2: MCU.2@40.116,54.723 39.939,54.9 v1(39.939,56.576) 39.939,60.731 39.431,61.239 J4.4@39.431,61.529 J4.2@41.971,61.529 ; R6.2@102.225,73.507 103.28,72.451 v1(103.947,72.451)
MOSI_A/TX_R: J1.6 R6.1 | length 2.9
  Bottom Layer w0.2: R6.1@102.225,72.607 102.325,72.607 102.833,72.099 103.171,72.099 104.047,71.223 J1.6@104.047,70.673
MOSI_R_ADC1: R22.2@57.592,50.538 U5.25@59.271,48.47 | length 3.2
  Bottom Layer w0.2: R22.2@57.592,50.538 57.692,50.538 57.792,50.438 57.792,49.909 58.354,49.347 58.354,49.083 58.647,48.79 59.241,48.79 59.271,48.76 U5.25@59.271,48.47
MOSI_R_ADC2: R22.2@47.178,38.6 U5.25@49.111,36.913 | length 3
  Bottom Layer w0.2: R22.2@47.051,38.6 47.191,38.6 47.191,38.148 48.426,36.913 U5.25@49.111,36.913
NetC26_1: C26.1 R31.2 | length 0.8
  Top Layer w0.2: R31.2@102.675,57.1 102.688,57.087 103.413,57.087 C26.1@103.45,57.05
NetC26_2: C26.2 R33.1 | length 1
  Top Layer w0.2: R33.1@102.625,56.15 102.663,56.112 103.537,56.112 C26.2@103.575,56.15
NetC29_1: C29.1 R27.2 | length 0.8
  Top Layer w0.2: R27.2@101.65,57.025 101.65,56.3 C29.1@101.7,56.25
NetC48_1: C48.1 R40.2 | length 1.1
  Top Layer w0.2: R40.2@110.75,44 110.825,43.925 111.65,43.925 C48.1@111.75,43.825
NetC48_2: C48.2 R92.1 | length 1.2
  Top Layer w0.2: R92.1@110.75,43.125 111.45,43.125 111.775,42.8 C48.2@111.775,42.725
NetC51_1: C51.1 R90.2 | length 0.9
  Top Layer w0.2: C51.1@109.9,43.15 R90.2@109.9,44.025
NetC54_1: C54.1 R95.2 | length 0.9
  Bottom Layer w0.2: C54.1@108.711,73.467 108.907,73.663 R95.2@109.535,73.663
NetD1_MOTOR_DRV1_1: D1.1@128.065,35.367 R64.2@129.151,35.367 | length 1.1
  Top Layer w0.2: D1.1@128.065,35.367 R64.2@129.151,35.367
NetD1_MOTOR_DRV2_1: D1.1@130.478,47.305 R64.2@131.818,46.924 | length 1.5
  Top Layer w0.2: D1.1@130.478,47.305 130.478,47.301 130.728,47.051 131.718,47.051 131.818,46.951 R64.2@131.818,46.924
NetD8_HEATER1_1: D8_HEATER1.1 R96_HEATER1.1 | length 2.1
  Bottom Layer w0.2: R96_HEATER1.1@130.744,31.499 130.844,31.499 131.91,32.565 132.018,32.565 D8_HEATER1.1@132.268,32.815
NetD8_HEATER1_2: D8_HEATER1.2 J11.2@133.582,26.983 Q1_HEATER1.1 Q1_HEATER1.2 Q1_HEATER1.5 Q1_HEATER1.6 | length 5.2
  Bottom Layer w0.2: D8_HEATER1.2@132.268,31.315 132.268,29.144 132.649,28.763 133.284,28.763 133.582,28.465 J11.2@133.582,26.983
  other v1: 134.427,26.223 135.443,26.223 136.332,26.223 137.221,26.223
NetD8_HEATER2_1: D8_HEATER2.1 R96_HEATER2.1 | length 1.7
  Bottom Layer w0.2: D8_HEATER2.1@125.645,22.552 125.726,22.471 126.553,22.471 R96_HEATER2.1@127.061,22.979
NetD8_HEATER2_2: D8_HEATER2.2 J11.2@124.331,26.225 Q1_HEATER2.1 Q1_HEATER2.2 Q1_HEATER2.5 Q1_HEATER2.6 | length 2.8
  Bottom Layer w0.2: J11.2@124.331,26.225 124.331,25.675 125.295,24.711 125.295,24.302 125.545,24.052 D8_HEATER2.2@125.645,24.052
  other v1: 123.632,27.589 120.838,27.62 121.854,27.62 122.743,27.62
NetD8_HEATER3_1: D8_HEATER3.1 R96_HEATER3.1 | length 1.7
  Bottom Layer w0.2: D8_HEATER3.1@116.266,22.552 116.278,22.54 117.351,22.54 R96_HEATER3.1@117.79,22.979
NetD8_HEATER3_2: D8_HEATER3.2 J11.2@115.006,26.223 Q1_HEATER3.1 Q1_HEATER3.2 Q1_HEATER3.5 Q1_HEATER3.6 | length 2.8
  Bottom Layer w0.2: J11.2@115.006,26.223 115.006,25.673 115.916,24.763 115.916,24.302 116.166,24.052 D8_HEATER3.2@116.266,24.052
  other v1: 114.742,27.589 112.075,27.62 112.964,27.62 113.853,27.62
NetD8_HEATER4_1: D8_HEATER4.1 R96_HEATER4.1 | length 1.7
  Bottom Layer w0.2: D8_HEATER4.1@107.503,22.425 107.584,22.344 108.577,22.344 R96_HEATER4.1@109.027,22.794
NetD8_HEATER4_2: D8_HEATER4.2 J11.2@106.189,26.225 Q1_HEATER4.1 Q1_HEATER4.2 Q1_HEATER4.5 Q1_HEATER4.6 | length 3
  Bottom Layer w0.2: J11.2@106.189,26.225 106.189,25.675 107.165,24.699 107.386,24.699 107.503,24.582 D8_HEATER4.2@107.503,23.925
  other v1: 103.312,27.62 106.106,27.62 104.328,27.651 105.217,27.651
NetD8_HEATER5_1: D8_HEATER5.1 R96_HEATER5.1 | length 1.8
  Bottom Layer w0.2: D8_HEATER5.1@98.486,22.552 98.567,22.471 99.375,22.471 R96_HEATER5.1@100.01,23.106
NetD8_HEATER5_2: D8_HEATER5.2 J11.2@97.363,26.223 Q1_HEATER5.1 Q1_HEATER5.2 Q1_HEATER5.5 Q1_HEATER5.6 | length 2.7
  Bottom Layer w0.2: J11.2@97.363,26.223 97.613,25.973 97.613,25.023 98.136,24.5 98.136,24.302 98.386,24.052 D8_HEATER5.2@98.486,24.052
  other v1: 95.496,25.969 95.527,26.858 94.511,27.747 95.527,27.747
OBC_RST: MCU.30 R9.2 | length 92.5
  Top Layer w0.2: v1(35.304,51.56) 35.345,51.518 42.511,51.518 43.679,52.687 43.679,55.119 46.883,58.322 46.883,58.332 47.675,59.124 55.668,59.124 58.63,62.086 58.636,62.086 61.675,65.125 v1(61.8,65.125)
  VCC w0.2: v1(61.8,65.125) 61.8,64.825 62.78,63.845 69.07,63.845 69.321,64.096 95.094,64.096 98.892,67.895 106.757,67.895 112.202,73.34 112.2,73.342 v1(112.2,74.175)
  Bottom Layer w0.2: v1(35.304,51.56) 35.335,51.591 37.784,51.591 MCU.30@37.816,51.623 ; v1(112.2,74.175) 112.2,73.665 R9.2@112.202,73.663
OBC_RST_R: J1.10 R9.1 | length 4.5
  Bottom Layer w0.2: J1.10@109.047,70.673 109.047,71.223 109.782,71.958 110.086,71.958 110.182,72.054 110.672,72.054 110.795,72.178 112.145,72.178 112.23,72.263 R9.1@112.23,72.636
OPT_CS_N: J2.5 MCU.24 | length 52.3
  Top Layer w0.2: v1(79.879,40.202) 79.902,40.202 80.35,40.65 J2.5@80.35,41.475
  VCC w0.2: v1(50.645,44.428) 51.579,44.428 55.068,40.939 69.088,40.939 72.596,44.448 78.229,44.448 79.879,42.798 v1(79.879,40.202)
  Bottom Layer w0.2: MCU.24@39.316,46.123 39.316,42.936 39.662,42.59 45.14,42.59 45.67,43.12 45.67,43.13 46.968,44.428 v1(50.645,44.428)
OPT_DATA_RDY: J2.4 MCU.25 | length 61.3
  Top Layer w0.2: J2.4@79.055,38.285 79.182,38.158 79.182,36.51 79.309,36.383 v1(80.96,36.383)
  VCC w0.2: v1(50.099,43.876) 51.633,43.876 54.922,40.587 69.234,40.587 72.742,44.095 78.074,44.095 79.326,42.843 79.326,38.017 v1(80.96,36.383)
  Bottom Layer w0.2: MCU.25@37.816,47.623 37.816,43.068 38.646,42.238 45.286,42.238 46.022,42.974 46.022,42.984 47.013,43.974 49.845,43.974 49.943,43.876 v1(50.099,43.876)
OPT_RST_N: J2.9 MCU.23 | length 52.8
  Top Layer w0.2: v1(82.429,40.477) 82.5,40.477 82.925,40.902 J2.9@82.925,41.675
  VCC w0.2: v1(51.242,45.019) 51.496,45.019 55.223,41.292 68.942,41.292 72.45,44.8 78.55,44.8 82.429,40.921 v1(82.429,40.477)
  Bottom Layer w0.2: MCU.23@40.116,45.885 40.116,45.212 39.768,44.863 39.768,43.393 40.218,42.943 44.994,42.943 45.317,43.266 45.317,43.276 47.061,45.019 v1(51.242,45.019)
OUT1: R80.2 U12.3 | length 2.9
  Top Layer w0.2: U12.3@32.349,50.292 32.349,51.799 32.573,52.023 v1(32.573,52.131)
  Bottom Layer w0.2: R80.2@32.491,51.242 32.532,51.283 32.532,52.09 v1(32.573,52.131)
OUT2: R81.2 U12.5 | length 3.4
  Top Layer w0.2: U12.5@31.049,50.292 31.049,49.21 31.43,48.829 v1(32.446,48.829)
  Bottom Layer w0.2: v1(32.446,48.829) 32.468,48.851 32.468,49.569 R81.2@32.491,49.591
OUT3: R82.2 U12.7 | length 5.6
  Top Layer w0.2: U12.7@29.749,50.292 29.749,48.732 31.176,47.305 v1(32.446,47.305)
  Bottom Layer w0.2: v1(32.446,47.305) 32.468,47.327 32.468,48.045 R82.2@32.491,48.067
OUT4: R83.2 U12.9 | length 6.7
  Top Layer w0.2: U12.9@29.099,44.892 29.099,46.371 29.525,46.797 32.173,46.797 32.554,46.416 v1(33.208,46.416)
  Bottom Layer w0.2: R83.2@32.446,46.416 v1(33.208,46.416)
OUT5: R84.2 U12.11 | length 6.2
  Top Layer w0.2: U12.11@30.399,44.892 30.399,44.31 31.976,42.733 v1(33.081,42.733)
  Bottom Layer w0.2: R84.2@32.491,44.765 32.491,44.665 33.081,44.075 v1(33.081,42.733)
OUT6: R85.2 U12.13 | length 9.2
  Top Layer w0.2: U12.13@31.699,44.892 31.699,44.31 32.26,43.749 33.081,43.749 33.189,43.857 34.389,43.857 34.986,43.26 v1(34.986,42.352)
  Bottom Layer w0.2: R85.2@32.446,43.241 32.319,43.114 32.319,42.215 32.436,42.098 33.589,42.098 33.843,42.352 v1(34.986,42.352)
PAY_RST: "PROG <-> RUN.5" MCU.31 R8.2 R11.1 U12.2 | length 114.2
  Top Layer w0.2: U12.2@32.999,50.292 32.999,49.337 34.224,49.337 34.351,49.464 34.351,53.293 34.967,53.909 36.275,53.909 36.681,53.503 36.681,53.045 36.51,52.874 v1(36.51,52.423) ; v1@36.618,52.531 36.891,52.258 42.254,52.258 42.974,52.978 42.974,55.411 46.178,58.614 46.178,58.624 47.383,59.829 51.704,59.829 52.225,60.35 v1(52.225,60.525) ; 51.115,69.403 51.159,69.359 ; 51.159,68.341 51.159,69.359 ; v1(63.815,68.514) 63.815,68.646 61.309,71.152 61.298,71.152 60.925,71.525 54.977,71.525 52.777,69.325 51.193,69.325 51.159,69.359
  VCC w0.2: v1(63.815,68.514) 63.815,64.831 64.448,64.198 68.823,64.198 69.074,64.449 94.948,64.449 98.759,68.26 106.624,68.26 111.186,72.822 111.18,72.828 v1(111.18,74.179)
  Bottom Layer w0.2: R11.1@35.875,52.423 v1(36.51,52.423) MCU.31@37.816,52.423 ; 51.115,68.768 52.256,67.627 52.256,60.556 v1(52.225,60.525) ; v1(111.18,74.179) 111.18,73.729 111.15,73.699 R8.2@111.186,73.663